# Altium PCB Copy of 2 Layers.PcbDoc (part 2 of 2)
Units mm, origin at the board's own origin, x right, y up, seen from the top; angles counter-clockwise.
Board outline 80.11 x 59.8 mm, 4 copper layers (Top Layer 1, Signal 1, Signal 2, Bottom Layer 1), stack 1.782 mm thick; 83 components, 58 nets, 373 pads, 5 vias.
Unrouted connection lines stored in the file: 233.
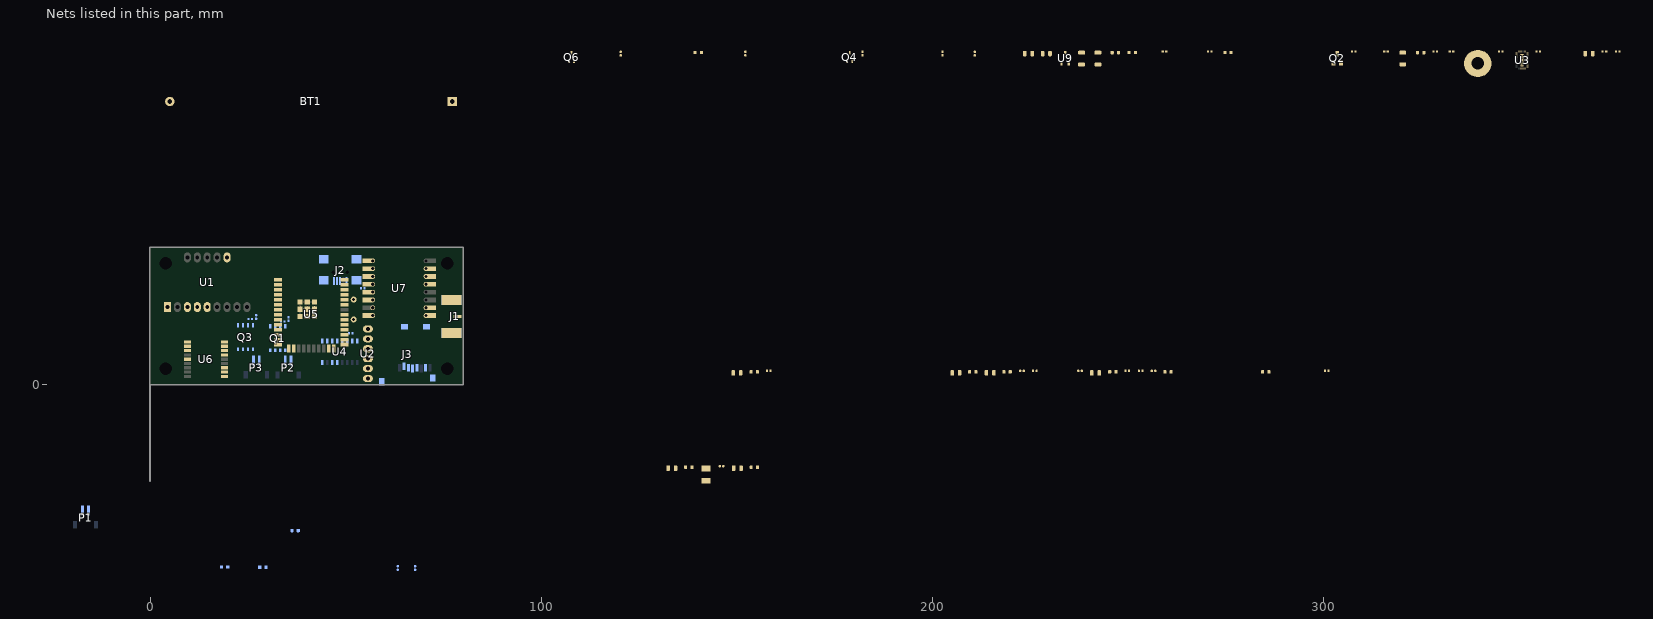
[diagram p2: the nets of this part, all layers, seen from the top]

## Part data (continued)
R16 R22: library part RES1011, Manufacturer 1=Panasonic, Manufacturer Part Number 1=ERJ-2RKF1003X, Operating Temperature="-55C to +125C", Package=0402, Power=1/10W, Supplier Part Number 1=P100KLCT-ND, Temperature Coefficient=100ppm/C, Tolerance=1%, Voltage=50V, Category=Resistor, ComponentLink1Description="SVN Datasheet", ComponentLink1URL=https://chn-vm-apps.microchip.com/mchprepo/parts/Datasheets/AOA0000CE2.pdf, ComponentLink2Description="Local Datasheet", ComponentLink2URL=C:\ALTIUM_WORK\00001_MCHP-CDB\Datasheets\AOA0000CE2.pdf, ComponentLink3Description="Open Symbol", ComponentLink3URL=C:\ALTIUM_WORK\00001_MCHP-CDB\Library\LibraryRefs\Resistor.SchLib, ComponentLink4Description="Open Footprint", ComponentLink4URL=C:\ALTIUM_WORK\00001_MCHP-CDB\Library\Footprints\RES_C_0402.PcbLib, ComponentLink5Description="Open Footprint 2", ComponentLink6Description="Open Footprint 3", ComponentLink7Description="Open Footprint 4", Composition=TKF, Description_="RES TKF 100k 1% 1/10W SMD 0402", Dev Tools Status=Production, MCHP-ID=RES1011, Owner="Tad Ahlvers", Populated=YES, Quantity Override=1, Revision=1, Status="MCL Design", Supplier 1=Digi-Key, Symbol=Resistor, Type="RES SMD"
R18 R26: library part RES2100, Manufacturer 1=Vishay, Manufacturer 2="Stackpole Electronics Inc.", Manufacturer Part Number 1=CRCW040262K0FKED, Manufacturer Part Number 2=RMCF0402FT62K0, Operating Temperature="-55C to +155C", Package=0402, Power=1/16W, Supplier Part Number 1=2140916, Temperature Coefficient=100ppm/C, Tolerance=1%, Category=Resistor, ComponentLink1Description="SVN Datasheet", ComponentLink1URL=https://chn-vm-apps.microchip.com/mchprepo/parts/Datasheets/SEI-RMCF_RMCP.pdf, ComponentLink2Description="Local Datasheet", ComponentLink2URL=C:\ALTIUM_WORK\00001_MCHP-CDB\Datasheets\SEI-RMCF_RMCP.pdf, ComponentLink3Description="Open Symbol", ComponentLink3URL=C:\ALTIUM_WORK\00001_MCHP-CDB\Library\LibraryRefs\Resistor.SchLib, ComponentLink4Description="Open Footprint", ComponentLink4URL=C:\ALTIUM_WORK\00001_MCHP-CDB\Library\Footprints\RES_C_0402.PcbLib, ComponentLink5Description="Open Footprint 2", ComponentLink6Description="Open Footprint 3", ComponentLink7Description="Open Footprint 4", Composition=TKF, Description_="RES TF 62k 1% 1/16W SMD 0402 AEC-Q200", Dev Tools Status=Production, MCHP-ID=RES2100, Owner="Cristian Papuc", Populated=YES, Quantity Override=1, Revision=1, Status="MCL Design", Supplier 1=Farnell, Supplier 2=Digi-Key, Supplier Part Number 2=RMCF0402FT62K0CT-ND, Symbol=Resistor, Type="RES SMD"
R19 R27: library part RES2130, Manufacturer 1="Panasonic - ECG", Manufacturer Part Number 1=ERJ-2RKF3301X, Operating Temperature="-55C to +155C", Package=0402, Power=1/10W, Supplier Part Number 1=P3.30KLTR-ND, Temperature Coefficient=100ppm/C, Tolerance=1%, Voltage=50V, Category=Resistor, ComponentLink1Description="SVN Datasheet", ComponentLink1URL=https://chn-vm-apps.microchip.com/mchprepo/parts/Datasheets/AOA0000C304.pdf, ComponentLink2Description="Local Datasheet", ComponentLink2URL=C:\ALTIUM_WORK\00001_MCHP-CDB\Datasheets\AOA0000C304.pdf, ComponentLink3Description="Open Symbol", ComponentLink3URL=C:\ALTIUM_WORK\00001_MCHP-CDB\Library\LibraryRefs\Resistor.SchLib, ComponentLink4Description="Open Footprint", ComponentLink4URL=C:\ALTIUM_WORK\00001_MCHP-CDB\Library\Footprints\RES_C_0402.PcbLib, ComponentLink5Description="Open Footprint 2", ComponentLink6Description="Open Footprint 3", ComponentLink7Description="Open Footprint 4", Composition=TKF, Description_="RES TKF 3.3k 1% 1/10W SMD 0402", Dev Tools Status=Production, MCHP-ID=RES2130, Owner="Mike Ragsdale", Populated=YES, Quantity Override=1, Revision=1, Status="MCL Design", Supplier 1=Digi-Key, Symbol=Resistor, Type="RES SMD"
U3: library part MIC6968, Manufacturer 1="Microchip Technology", Manufacturer Part Number 1=MIC33M350YMP, Operating Temperature="-40C to +125C", Category=MCHP-Analog, ComponentLink1Description="SVN Datasheet", ComponentLink1URL="https://chn-vm-apps.microchip.com/mchprepo/parts/Datasheets/MIC33M350_6_ DOS_Rev02.pdf", ComponentLink2Description="Local Datasheet", ComponentLink2URL="C:\ALTIUM_WORK\00001_MCHP-CDB\Datasheets\MIC33M350_6_ DOS_Rev02.pdf", ComponentLink3Description="Open Symbol", ComponentLink3URL="C:\ALTIUM_WORK\00001_MCHP-CDB\Library\LibraryRefs\MIC33M350 QFN-24.SchLib", ComponentLink4Description="Open Footprint", ComponentLink4URL=C:\ALTIUM_WORK\00001_MCHP-CDB\Library\Footprints\QFN-24_3X4.5_MIC33M350.PcbLib, ComponentLink5Description="Open Footprint 2", ComponentLink6Description="Open Footprint 3", ComponentLink7Description="Open Footprint 4", Description_="MCHP ANALOG SWITCHER Buck 0.6V to 3.3V MIC33M350YMP QFN-24", Dev Tools Status=Production, MCHP-ID=MIC6968, Owner="Razvan Cristescu", Populated=YES, Quantity Override=1, Revision=1, Status="MCL Design", Supplier 1="Microchip Technology", Supplier Part Number 1=MIC33M350YMP, Symbol="MIC33M350 QFN-24", Type=Switcher
U4: "USB Interface Integrated Circuit", Package=None, Availability="Not in stock", Check_prices=https://www.snapeda.com/parts/Ch340G/WCH/view-part/?ref=eda, MF=WCH, MP=Ch340G, Price=None, SnapEDA_Link=https://www.snapeda.com/parts/Ch340G/WCH/view-part/?ref=snap
U5: "Bluetooth, WiFi Transceiver Module 2.4GHz ~ 2.5GHz Surface Mount", Package="Module Espressif Systems", Digi-Key_Part_Number=1904-1010-1-ND, Digi-Key_Purchase_URL=https://www.digikey.com/product-detail/en/espressif-systems/ESP32-WROOM-32/1904-1010-1-ND/8544305?utm_source=snapeda&utm_medium=aggregator&utm_campaign=symbol, MF="Espressif Systems", MP=ESP32-WROOM-32, SnapEDA_Link=https://www.snapeda.com/parts/ESP32-WROOM-32/Espressif%20Systems/view-part/2753322/?ref=snap
U6: "u-blox M8 GNSS module, ROM, crystal", Package="SMD-18 u-blox", Availability=Unavailable, MF="U-Blox America", MP=MAX-M8C-0-10, Price=None, SnapEDA_Link=https://www.snapeda.com/parts/MAX-M8C-0-10/U-Blox%20America%20Inc./view-part/4176794/?ref=snap
U7: "802.15.4, General ISM < 1GHz LoRaâ„¢ Transceiver Module 433MHz Surface Mount", Package="SMD-16 RF Solutions", Availability=Unavailable, MF="RF Solutions", MP=RFM98W-433S2, Price=None, SnapEDA_Link=https://www.snapeda.com/parts/RFM98W-433S2/RF%20Solutions/view-part/583263/?ref=snap
U9: library part MIC6213, "LDO", Manufacturer 1=Microchip, Manufacturer Part Number 1=MCP1703AT-3302E/CB, PackageType=SOT-23A, Supplier Part Number 1=MCP1703AT-3302E/CBCT-ND, TempRange="-40C to +125C", Category=MCHP-Analog, ComponentLink1Description="SVN Datasheet", ComponentLink1URL=http://www.microchip.com/wwwproducts/MCP1703A, ComponentLink2Description="Local Datasheet", ComponentLink3Description="Open Symbol", ComponentLink3URL="C:\ALTIUM_WORK\00001_MCHP-CDB\Library\LibraryRefs\MCP170X SOT-23-3_SOT-23A-3.SchLib", ComponentLink4Description="Open Footprint", ComponentLink4URL=C:\ALTIUM_WORK\00001_MCHP-CDB\Library\Footprints\SOT-23A-3.PcbLib, ComponentLink5Description="Open Footprint 2", ComponentLink6Description="Open Footprint 3", ComponentLink7Description="Open Footprint 4", Description_="MCHP ANALOG LDO 3.3V MCP1703AT-5002E/CB SOT-23A-3", Dev Tools Status=Production, ForceMinOrderQtyMult=True, IntroductionDate=2012-03-15, LeadContent=Pb-FREE, LeadCount=3, MAPS Description="LOWIQ 250MA LDO, VIN 16V MAX, VOUT=3.3V", MCHP-ID=MIC6213, MinOrderQty=1, MPC=HBAF1YM7XA33, Owner="Tad Ahlvers", PackingMedia=T/R, Populated=YES, Quantity Override=1, Revision=1, Stage=REL, Status="MCL Design", Supplier 1=Digi-Key, Symbol="MCP170X SOT-23-3_SOT-23A-3", tblDeviceFamilyID=3495, Type=LDO

## Free pads (board coordinates)
  round 0 hole 3.2 unplated mask+0.2: 0(4,4) 0(4,31) 0(76,4) 0(76,31)

## Via types
v1: diameter 0.55, hole 0.3, Top Layer 1 to Bottom Layer 1, 5 vias

## Nets (pads, with @x,y where several pads share a name; then routed paths per layer and width w, separated by ;. In a path a pad name is that pad's centre, name@x,y a point inside that pad or via, vN(x,y) a via of type N, cw(c..) or ccw(c..) an arc to the next point about the centre after c; other vN are vias at no path point)
3.3V: C2.2 C6.2 C7.2 C8.2 C9.1 C10.2 C14.2 C15.2 C16.2@134.399,-21.397 C16.2@151.036,2.987 C16.2@151.163,-21.397 C16.2@207.043,2.987 C16.2@215.806,2.987 C16.2@230.157,84.648 C16.2@242.73,2.987 C17.2 C19.2 J3.4 R1.1 R2.1 R3.2 R4.2 R6.2 R7.1 R11.2 R24.2 R25.2 U1.1 U2.1 U3.12 U3.13 U3.14 U3.15 U3.16 U3.23 U4.4 U4.16 U5.2 U7.13 U7.13_1 U9.2
ADC_VBAT: C13.2 R12.2 U5.7
D+: J2.3 U4.5
D-: J2.2 U4.6
DIO0: U5.24 U7.14 U7.14_1
DIO1: U5.8 U7.15 U7.15_1
DIO5: U5.23 U7.7_1
DTR: Q6.2 R23.1 U4.13
EN: C1.2 Q4.3 R1.2 U5.3
FIRE1: R14.2 R15.2 U5.10
FIRE2: R20.2 R21.2 U5.26
GND: BT1.2 C1.1 C2.1 C3.1 C4.1 C5.1 C6.1 C7.1 C8.1 C9.2 C10.1 C11.1 C12.1 C13.1 C14.1 C15.1 C16.1 C17.1 C18.1 C19.1 C20.1 D1.2 D2.2 D3.2 J1.2 J2.0 J2.5 J3.10 J3.11 J3.12 P1.2 Q1.1 Q1.2 Q1.3 Q2.2 Q3.1 Q3.2 Q3.3 R13.1 R17.1 R18.1 R19.1 R26.1 R27.1 U1.3 U1.10 U2.2 U2.6 U3.1 U3.2 U3.3 U3.10 U3.11 U3.24 U3.25 U4.1 U5.1 U5.15 U5.38 U5.39_1 U5.39_2 U5.39_3 U5.39_4 U5.39_5 U5.39_6 U5.39_7 U5.39_8 U5.39_9 U5.39_10 U5.39_11 U5.39_12 U5.39_13 U5.39_14 U5.39_15 U5.39_16 U5.39_17 U5.39_18 U5.39_19 U5.39_20 U5.39_21 U6.1 U6.10 U6.12 U7.1 U7.1_1 U7.8 U7.8_1 U7.10 U7.10_1 U9.1
  other v1: 350.873,81.747 350.873,82.547 350.873,83.347 350.473,84.147 351.273,84.147
GPS_RX: U5.28 U6.3
GPS_TX: U5.27 U6.2
IO0: Q6.3 U5.25
NetBT1_1: BT1.1 SW1.2
NetC11_2: C11.2 U3.18
NetC18_2: C18.2 Q5.2 U4.7
NetC20_2: C20.2 Q5.1 U4.8
NetD1_1: D1.1 R11.1
NetD2_1: D2.1 Q1.4 R14.1 R15.1 R19.2
NetD3_1: D3.1 R20.1
NetD4_1: D4.1 R24.1
NetD5_1: D5.1 R25.1
NetJ1_1: J1.1 U7.9 U7.9_1
NetL1_1: L1.1 R5.2
NetL1_2: L1.2 U6.11
NetP1_1: P1.1 U5.9
NetP2_2: P2.2 Q1.5 Q1.6 Q1.7 Q1.8 R16.2
NetP3_2: P3.2 Q3.5 Q3.6 Q3.7 Q3.8 R22.2
NetQ2_1: Q2.1 R8.1 R17.2
NetQ2_3: Q2.3 R9.1 U3.21
NetQ3_4: Q3.4 R21.1 R27.2
NetQ4_1: Q4.1 R23.2
NetQ6_1: Q6.1 R28.2
NetR6_1: R6.1 U2.5
NetR10_1: R10.1 R12.1 R13.2
RFM_CLK: U5.30 U7.4 U7.4_1
RFM_MISO: U5.31 U7.2 U7.2_1
RFM_MOSI: U5.37 U7.3 U7.3_1
RFM_NSS: U5.11 U7.5 U7.5_1
RFM_RESET: U5.12 U7.6 U7.6_1
RST: Q4.2 R28.1 U4.14
RX: D4.2 U4.3 U5.35
SCL: R4.1 U1.4 U2.3 U5.36
SD_CS: J3.2 U5.29
SD_IN: J3.9 R7.2 U5.6
SD_MISO: J3.7 U5.14
SD_MOSI: J3.3 U5.16
SD_SCK: J3.5 U5.13
SDA: R3.1 U1.5 U2.4 U5.33
SENSE1: R16.1 R18.2 U5.4
SENSE2: R22.1 R26.2 U5.5
TX: D5.2 U4.2 U5.34
VBat: C12.2 P2.1 P3.1 R9.2 R10.2 SW1.1 U3.17 U3.19 U3.20
VCC_GPS: C4.2 C5.2 R2.2 U6.6 U6.7 U6.8 U6.9
VCC_RF: C3.2 R5.1 U6.14
VUSB: C16.2@225.585,84.648 J2.1 R8.2 U9.3
pads on no net: BT1.BEF J2.4 J2.MH J3.1 J3.6 J3.8 P1.MP1 P1.MP2 P2.MP1 P2.MP2 P3.MP1 P3.MP2 U1.2 U1.6 U1.7 U1.8 U1.9 U1.11 U1.12 U1.13 U1.14 U3.4 U3.5 U3.6 U3.7 U3.8 U3.9 U3.22 U4.9 U4.10 U4.11 U4.12 U4.15 U5.17 U5.18 U5.19 U5.20 U5.21 U5.22 U5.32 U6.4 U6.5 U6.13 U6.15 U6.16 U6.17 U6.18 U7.7 U7.11 U7.11_1 U7.12 U7.12_1 U7.16 U7.16_1

## Keep-outs
Keep-Out Layer:
  text "'.Layer_Name'" at 300.5,-183.388 h1.5

## Other copper
Top Layer 1:
  text "'.ProjectRevisionART'" at 335.678,-183.21 h1.5
  text "'.Layer_Name'" at 300.5,-183.388 h1.5
Bottom Layer 1:
  text "04-'.ProjectPCBNumber'-R'.ProjectRevisionART'" at 242,-133.138 h1.2
  text ".ProjectRevisionART" at 335.678,-183.21 h1.5
  text ".ProjectRevisionART" at 335.678,-183.21 h1.5
  text "'.ProjectRevisionART'" at 335.678,-183.21 h1.5
  text "'.Layer_Name'" at 300.5,-183.388 h1.5

## Silkscreen, mask and mechanical layers (free items; w line width, h text height)
Top Overlay:
  region: 289.8,-146.738 289.8,-144.738 291.8,-145.738
  text "C" at 259.5,-136.935 h8
  text "'.ProjectPartNumber'" at 231.5,-137.638 h1.2
  text "" at 252.5,-138.238 h8
  text "5" at 278.5,-138.832 h8
  text "7" at 288.5,-138.832 h8
  text "0" at 298.5,-138.832 h8
  text "1" at 308.5,-138.832 h8
  text "6" at 268.5,-138.865 h8
  text "2" at 318.5,-138.865 h8
  text "3" at 328.5,-138.865 h8
  text "4" at 338.58,-138.865 h8
  text "ICD" at 284.4,-146.638 h1.52
  text "M" at 262,-153.138 h10
  text "" at 315,-153.597 h10
  text "" at 294,-153.622 h10
  text "" at 305,-153.622 h10
  text "" at 324,-153.622 h10
  text "" at 335,-153.622 h10
  text "" at 346,-153.797 h10
  text "*h" at 227.7,-154.638 h7
  text "" at 286,-156.638 h10
  text "dsPICDEM.net™" at 185.75,-163.388 h3
  text "mTouch®" at 208,-163.388 h3
  text "chipKIT™" at 222.25,-163.388 h3
  text "dsPICDEM™" at 185.5,-169.138 h3
  text "MPLAB®" at 208,-169.638 h3
  text "dsPIC®" at 222.25,-169.638 h3
  text "PICDEM.net™" at 185.5,-175.388 h3
  text "PICkit™" at 208.25,-175.638 h3
  text "PIC®" at 222.25,-175.638 h3
  text "PICDEM™" at 185.5,-181.888 h3
  text "PICtail™" at 208.25,-181.888 h3
  text "'.ProjectRevisionART'" at 335.678,-183.21 h1.5
  text "'.Layer_Name'" at 300.5,-183.388 h1.5
Bottom Overlay:
  text "'.ProjectRevisionART'" at 335.678,-183.21 h1.5
  text "'.Layer_Name'" at 300.5,-183.388 h1.5
Top Paste:
  text "'.ProjectRevisionART'" at 335.678,-183.21 h1.5
  text "'.Layer_Name'" at 300.5,-183.388 h1.5
Bottom Paste:
  text "'.ProjectRevisionART'" at 335.678,-183.21 h1.5
  text "'.Layer_Name'" at 300.5,-183.388 h1.5
Top Solder:
  text "'.ProjectRevisionART'" at 335.678,-183.21 h1.5
  text "'.Layer_Name'" at 300.5,-183.388 h1.5
Bottom Solder:
  text "'.ProjectRevisionART'" at 335.678,-183.21 h1.5
  text "'.Layer_Name'" at 300.5,-183.388 h1.5
NOTES (M1):
  text "ASSEMBLY NOTES:" at 29.4,-133.738 h4
  text "1. ALL COMPONENTS SHALL BE RoHS COMPLIANT." at -4.7,-138.838 h3
  text "2. ALL UNUSED THROUGH HOLE COMPONENT LOCATIONS SHALL BE FREE OF SOLDER." at -4.7,-141.838 h3
  text "3. ALL COMPONENTS SHALL BE MOUNTED FLUSH TO THE BOARD, EXCEPT AS NOTED." at -4.7,-144.838 h3
  text "4. FINISHED BOARD SHALL BE FREE OF ALL RESIDUES." at -4.7,-147.838 h3
  text "5. ALL LEADS SHALL BE TRIMMED TO A MAXIMUM HEIGHT OF 2mm" at -4.7,-150.838 h3
  text "'.Layer_Name'" at 318.5,-183.388 h1.5
BOARD (M2):
  lines w0.1: 0,-24.638 0,35.062 80.01,35.062 80.01,0 0,0
  text "'.ProjectRevisionART'" at 335.678,-183.21 h1.5
  text "'.Layer_Name'" at 300.5,-183.388 h1.5
REF POINTS (M3):
  text "'.Layer_Name'" at 300.5,-183.388 h1.5
FAB (M4):
  drawing of 392 lines, arcs and shapes, not listed
  text "THIS PCB TO BE MANUFACTURED TO MEET ALL ACCEPTANCE LEVELS" at 236.989,27.024 h1.78
  text "OF A CLASS 2 PCB PER ANSI/IPC-A-600G." at 236.989,23.214 h1.78
  text "MATERIAL:" at 236.989,18.594 h1.78
  text "FR-4 or Equivalent" at 257.309,18.594 h1.78
  text "CONTROLLED IMPEDANCE" at 313.5,14.362 h1.78
  text "MULTILAYER" at 263.024,14.244 h1.78
  text "2" at 286.519,14.244 h1.78
  text "LAYERS" at 290.964,14.244 h1.78
  text "Cu WEIGHT EXTERNAL LAYERS" at 257.309,9.394 h1.78
  text "35um" at 309.379,9.394 h1.78
  text "FINISHED" at 318.904,9.394 h1.78
  text "Cu WEIGHT INTERNAL LAYERS" at 257.309,4.544 h1.78
  text "N/A" at 309.379,4.544 h1.78
  text "FINISHED" at 318.904,4.544 h1.78
  text "FINISHED OVERALL THICKNESS" at 257.309,-0.306 h1.78
  text "1.6" at 310.649,-0.306 h1.78
  text "mm" at 318.904,-0.306 h1.78
  text "10" at 333.509,-0.306 h1.78
  text "%" at 341.764,-0.306 h1.78
  text "COPPER THIEVING ALLOWED" at 257.5,-5.138 h1.78
  text "YES" at 314.5,-5.138 h1.78
  text "NO" at 331.5,-5.138 h1.78
  text "X" at 326.091,-5.638 h2.6
  text "FINISH:" at 237,-9.638 h1.78
  text "LEAD-FREE HOT AIR LEVELING" at 263,-9.938 h1.78
  text "X" at 258.4,-10.638 h2.6
  text "IMMERSION GOLD" at 263.024,-15.476 h1.78
  text "IMMERSION TIN" at 263.024,-20.976 h1.78
  text "SMOBC WITH SELECTIVE GOLD PLATING ON LANDS" at 263.024,-24.681 h1.78
  text "INDICATED. 1um GOLD OVER 5-10 um NICKEL" at 263.024,-28.491 h1.78
  text "SOLDERMASK" at 257.309,-33.826 h1.78
  text "DYNACHEM EPIC 200 LPI OR EQUIVALENT" at 278.899,-33.826 h1.78
  text "SOLDERMASK COLOR" at 257.309,-40.176 h1.78
  text "GREEN HIGH GLOSS" at 289.059,-40.176 h1.78
  text "SILKSCREEN COLOR" at 257.309,-46.526 h1.78
  text "WHITE" at 289.059,-46.526 h1.78
  text "Blind / Burried Vias" at 263.5,-52.638 h1.78
  text "DRILLING:" at 237.5,-52.888 h1.78
  text "Via Layer Pairs" at 258,-57.388 h1.78
  text "Top-Bottom" at 278.75,-57.388 h1.78
  text "ALL HOLES TO BE LOCATED BY THE COORDINATES FROM THE NC DRILL DATA PROVIDED." at 236.989,-62.638 h1.78
  text "05-'.ProjectPCBNumber'" at 269,-69.138 h1.78
  text "PCB REV" at 305,-69.138 h1.78
  text "USE ARTWORK SET NO." at 236.989,-69.226 h1.78
  text "'.ProjectRevisionART'" at 318.15,-69.388 h1.78
  text "ALL UL LOGO, MANUFACTURER'S ID, AND DATE CODES SHALL BE PLACED" at 236.989,-75.576 h1.78
  text "Layer" at 224.029,-78.613 h1.52
  text "Name" at 234.441,-78.613 h1.52
  text "Material" at 258.056,-78.613 h1.52
  text "Thickness" at 279.894,-78.613 h1.52
  text "Constant" at 296.4,-78.613 h1.52
  text "Gerber" at 310.875,-78.613 h1.52
  text "Board Layer Stack" at 322.81,-78.613 h1.52
  text "ON THE BOTTOM SIDE UNLESS OTHERWISE INDICATED." at 236.989,-79.386 h1.78
  text "Top Overlay" at 234.441,-81.661 h1.52
  text "GTO" at 310.875,-81.661 h1.52
  text "ANY ALTERNATIVES TO THE ABOVE SPECIFICATIONS MUST FIRST BE APPROVED." at 236.5,-84.638 h1.78
  text "Top Solder" at 234.441,-84.709 h1.52
  text "Solder Resist" at 258.056,-84.709 h1.52
  text "0,010mm" at 279.894,-84.709 h1.52
  text "3.5" at 296.4,-84.709 h1.52
  text "GTS" at 310.875,-84.709 h1.52
  text "1" at 224.029,-87.757 h1.52
  text "Top Layer 1" at 234.441,-87.757 h1.52
  text "CF-004" at 258.056,-87.757 h1.52
  text "0,035mm" at 279.894,-87.757 h1.52
  text "GTL" at 310.875,-87.757 h1.52
  text "Dielectric 1" at 234.441,-90.805 h1.52
  text "PP-006" at 258.056,-90.805 h1.52
  text "0,071mm" at 279.894,-90.805 h1.52
  text "4.1" at 296.4,-90.805 h1.52
  text "2" at 224.029,-93.853 h1.52
  text "Signal 1" at 234.441,-93.853 h1.52
  text "CF-004" at 258.056,-93.853 h1.52
  text "0,035mm" at 279.894,-93.853 h1.52
  text "G1" at 310.875,-93.853 h1.52
  text "Dielectric1" at 234.441,-96.901 h1.52
  text "FR-4" at 258.056,-96.901 h1.52
  text "1,500mm" at 279.894,-96.901 h1.52
  text "4.8" at 296.4,-96.901 h1.52
  text "3" at 224.029,-99.949 h1.52
  text "Signal 2" at 234.441,-99.949 h1.52
  text "CF-004" at 258.056,-99.949 h1.52
  text "0,035mm" at 279.894,-99.949 h1.52
  text "G2" at 310.875,-99.949 h1.52
  text "Dielectric 2" at 234.441,-102.997 h1.52
  text "PP-006" at 258.056,-102.997 h1.52
  text "0,071mm" at 279.894,-102.997 h1.52
  text "4.1" at 296.4,-102.997 h1.52
  text "4" at 224.029,-106.045 h1.52
  text "Bottom Layer 1" at 234.441,-106.045 h1.52
  text "CF-004" at 258.056,-106.045 h1.52
  text "0,035mm" at 279.894,-106.045 h1.52
  text "GBL" at 310.875,-106.045 h1.52
  text "Bottom Solder" at 234.441,-109.093 h1.52
  text "Solder Resist" at 258.056,-109.093 h1.52
  text "0,010mm" at 279.894,-109.093 h1.52
  text "3.5" at 296.4,-109.093 h1.52
  text "GBS" at 310.875,-109.093 h1.52
  text "Bottom Overlay" at 234.441,-112.141 h1.52
  text "GBO" at 310.875,-112.141 h1.52
  text "Total board thickness:" at 224.029,-115.189 h1.52
  text "1,802mm" at 279.894,-115.189 h1.52
  text "'.ProjectRevisionFAB'" at 335.678,-183.21 h1.5
  text "'.Layer_Name'" at 300.5,-183.388 h1.5
Case (M5):
  text "'.Layer_Name'" at 300.5,-183.388 h1.5
Cover (M6):
  text "'.Layer_Name'" at 300.5,-183.388 h1.5
Terminal Block (M7):
  text "'.Layer_Name'" at 300.5,-183.388 h1.5
Route Tool Path:
  text "'.Layer_Name'" at 300.5,-183.388 h1.5
V-Cut (M9):
  text "'.Layer_Name'" at 300.5,-183.388 h1.5
Bottom Assembly:
  text "'.VariantName'" at 50.07,-167.388 h0.9
  text "ASSEMBLY VARIANT:" at 64.32,-167.388 h0.9
  text "DOCUMENT NUMBER:" at 18.05,-175.638 h1.14
  text "02-'.ProjectPCBAssyNumber'-D" at 17.8,-178.638 h1.6
  text "'.ProjectRevisionASSY'" at 1.122,-183.21 h1.5
  text "'.Layer_Name'" at 36,-183.388 h1
Top Assembly:
  text "6. PLACE LABEL  ON THE LOCATION INDICATED." at -4.7,-153.838 h3
  text "7." at -4.7,-156.838 h3
  text "ASSEMBLY VARIANT:" at 272.5,-167.388 h0.9
  text "'.VariantName'" at 286.75,-167.388 h0.9
  text "DOCUMENT NUMBER:" at 318.75,-175.638 h1.15
  text "02-'.ProjectPCBAssyNumber'-D" at 319,-178.638 h1.6
  text "'.ProjectRevisionASSY'" at 335.678,-183.21 h1.5
  text "'.Layer_Name'" at 300.5,-183.388 h1
Bottom 3D Body:
  text "'.Layer_Name'" at 300.5,-183.388 h1.15
Top 3D Body:
  text "'.Layer_Name'" at 300.5,-183.388 h1.2
Bottom Courtyard:
  text ".ProjectRevisionART" at 335.678,-183.21 h1.5
  text "'.Layer_Name'" at 300.5,-183.388 h1
Top Courtyard:
  text "'.ProjectRevisionART'" at 335.678,-183.21 h1.5
  text "'.Layer_Name'" at 300.5,-183.388 h1.1
TITLE (M16):
  lines w0.1: 272,-166.138 353.82,-166.138 ; 324,-158.638 324,-161.638 353.82,-161.638 ; 342.54,-183.273 342.54,-182.003 ; 342.54,-182.638 352.7,-182.638 ; 342.7,-181.438 342.7,-180.438 ; 342.7,-180.938 352.7,-180.938 ; 345.08,-183.273 345.08,-182.003 ; 347.62,-183.273 347.62,-182.003 ; 347.7,-181.238 347.7,-180.638 ; 350.16,-183.273 350.16,-182.003 ; 352.7,-183.273 352.7,-182.003 ; 352.7,-181.438 352.7,-180.438 ; 353.82,-161.638 353.82,-161.638
  lines w0.127: -22.1,-128.813 -17.02,-128.813 ; -22.1,-68.488 -17.02,-68.488 ; -22.1,-8.163 -17.02,-8.163 ; 41.4,-189.138 41.4,-184.058 ; 41.4,47.082 41.4,52.162 ; 104.9,-189.138 104.9,-184.058 ; 104.9,47.082 104.9,52.162 ; 168.4,-189.138 168.4,-184.058 ; 168.4,47.082 168.4,52.162 ; 203.96,-184.058 239.52,-184.058 ; 231.9,-189.138 231.9,-184.058 ; 231.9,47.082 231.9,52.162 ; 272,-184.058 272,-158.638 ; 272,-179.638 353.82,-179.638 ; 272,-173.638 353.82,-173.638 ; 272,-167.638 353.82,-167.638 ; 295.4,-189.138 295.4,-184.058 ; 295.4,47.082 295.4,52.162 ; 300,-184.058 300,-167.638 ; 318,-179.638 318,-173.638 ; 331,-184.058 331,-179.638 ; 338.5,-184.058 338.5,-173.638 ; 353.82,-153.578 353.82,-184.058 ; 353.82,-128.813 358.9,-128.813 ; 353.82,-68.488 358.9,-68.488 ; 353.82,-8.163 358.9,-8.163 ; 353.82,-184.058 353.82,-158.638 238,-158.638 238,-184.058 353.82,-184.058 ; 353.82,-184.058 -17.02,-184.058 -17.02,47.082 353.82,47.082 353.82,-184.058 ; -22.1,-189.138 358.9,-189.138 358.9,52.162 -22.1,52.162 -22.1,-189.138
  lines w0.254: 243.32,38.082 243.32,42.582 243.32,47.082 ; 255.82,38.082 255.82,42.582 255.82,47.082 ; 334.32,38.082 334.32,42.582 334.32,47.082 ; 353.82,42.582 232.32,42.582 ; 232.32,42.582 232.32,47.082 353.82,47.082 353.82,38.082 232.32,38.082 232.32,42.582
  text "1" at 9.176,48.86 h1.78
  text "2" at 72.566,48.86 h1.78
  text "3" at 135.795,48.86 h1.78
  text "4" at 199.464,48.86 h1.78
  text "5" at 262.939,48.86 h1.78
  text "6" at 326.566,48.86 h1.78
  text "REV" at 234.82,44.082 h1.52
  text "ECO" at 244.82,44.082 h1.52
  text "Comments" at 291.32,43.582 h1.52
  text "Date" at 339.32,43.582 h1.52
  text "A" at -20.195,19.828 h1.78
  text "A" at 355.725,19.828 h1.78
  text "B" at -20.195,-40.624 h1.78
  text "B" at 355.725,-40.624 h1.78
  text "C" at -20.195,-100.949 h1.78
  text "C" at 355.725,-100.949 h1.78
  text "PART NUMBER:" at 325,-160.638 h1
  text "'.ProjectpartNumber'" at 337,-160.888 h1.5
  text "D" at -20.195,-161.147 h1.78
  text "TITLE:" at 273,-161.138 h1.14
  text "D" at 355.725,-161.147 h1.78
  text "'.ProjectTitle'" at 273,-165.138 h2.5
  text "PCB Layout Contact:" at 273,-169.638 h1.15
  text "GERBER FILE:" at 301,-169.638 h1.15
  text "'.ProjectDrawnBy'" at 273,-172.638 h1.6
  text "'.Plot_File_Name'" at 301,-172.638 h1.5
  text "M" at 241,-174.638 h15.24
  text "Project Owner:" at 273,-175.638 h1.15
  text "BOARD NUMBER:" at 301,-175.638 h1.15
  text "DATE:" at 339.7,-175.638 h1.14
  text "Microchip Technology Inc." at 239.77,-177.898 h1.78
  text "'.ProjectEngineer'" at 273,-178.638 h1.6
  text "04-'.ProjectPCBNumber'" at 301,-178.638 h1.6
  text "'.PRINT_DATE'" at 339.7,-178.638 h1.5
  text "2355 W. Chandler Blvd." at 241,-180.638 h1.78
  text "LAYER NAME:" at 301,-181.138 h1.14
  text "10mm" at 339,-181.238 h0.7
  text "PCB FILE NAME:" at 273,-181.388 h1.15
  text "REV:" at 331.75,-181.388 h1.14
  text "400mil" at 338.9,-182.938 h0.7
  text "Chandler, AZ  85224" at 242,-183.138 h1.78
  text "'.PCB_FILE_NAME_NO_PATH'" at 273,-183.388 h1
  text "1" at 9.176,-187.36 h1.78
  text "2" at 72.566,-187.36 h1.78
  text "3" at 135.795,-187.36 h1.78
  text "4" at 199.464,-187.36 h1.78
  text "5" at 262.939,-187.36 h1.78
  text "6" at 326.566,-187.36 h1.78
Drill Drawing:
  lines w0.3: 6.096,-112.942 6.096,-105.442 ; 23.541,-112.942 23.541,-105.442 ; 57.182,-112.942 57.182,-105.442 ; 69.828,-112.942 69.828,-105.442 ; 99.57,-112.942 99.57,-105.442 ; 114.316,-112.942 114.316,-105.442 ; 132.661,-112.942 132.661,-105.442 ; 154.305,-112.942 154.305,-105.442 ; -7.676,-112.942 189.37,-112.942 189.37,-105.442 -7.676,-105.442 -7.676,-112.942 ; -7.676,-109.192 189.37,-109.192 -7.676,-109.192
  text "Symbol" at -5.426,-108.067 h1.8
  text "Hit Count" at 7.221,-108.067 h1.8
  text "Finished Hole Size" at 24.666,-108.067 h1.8
  text "Plated" at 58.307,-108.067 h1.8
  text "Drill Layer Pair" at 70.953,-108.067 h1.8
  text "Via/Pad" at 100.695,-108.067 h1.8
  text "Hole Type" at 115.441,-108.067 h1.8
  text "Hole Length" at 133.786,-108.067 h1.8
  text "Routed Path Length" at 155.43,-108.067 h1.8
  text "DOCUMENT NUMBER:" at 318.75,-175.638 h1.15
  text "04-'.ProjectPCBNumber'-D" at 319,-178.638 h1.6
  text "'.ProjectRevisionFAB'" at 335.678,-183.21 h1.5
TITLE MIRROR (M17):
  lines w0.1: -15.9,-183.273 -15.9,-182.003 ; -15.9,-182.638 -5.74,-182.638 ; -15.9,-181.438 -15.9,-180.438 ; -15.9,-180.938 -5.9,-180.938 ; -13.36,-183.273 -13.36,-182.003 ; -10.9,-181.238 -10.9,-180.638 ; -10.82,-183.273 -10.82,-182.003 ; -8.28,-183.273 -8.28,-182.003 ; -5.9,-181.438 -5.9,-180.438 ; -5.74,-183.273 -5.74,-182.003
  lines w0.127: -22.1,-128.813 -17.02,-128.813 ; -22.1,-68.488 -17.02,-68.488 ; -22.1,-8.163 -17.02,-8.163 ; -17.02,-179.638 64.8,-179.638 ; -17.02,-173.638 64.8,-173.638 ; -17,-167.638 64.82,-167.638 ; -17,-166.138 64.82,-166.138 ; -17,-161.638 -16.383,-161.638 ; -1.7,-184.058 -1.7,-173.638 ; 5.8,-184.058 5.8,-179.638 ; 12.82,-158.638 12.82,-161.638 -16.383,-161.638 ; 18.8,-179.638 18.8,-173.638 ; 36.82,-184.058 36.82,-167.638 ; 41.4,-189.138 41.4,-184.058 ; 41.4,47.082 41.4,52.162 ; 64.82,-184.058 64.82,-158.638 ; 104.9,-189.138 104.9,-184.058 ; 104.9,47.082 104.9,52.162 ; 168.4,-189.138 168.4,-184.058 ; 168.4,47.082 168.4,52.162 ; 231.9,-189.138 231.9,-184.058 ; 231.9,47.082 231.9,52.162 ; 295.4,-189.138 295.4,-184.058 ; 295.4,47.082 295.4,52.162 ; 353.82,-128.813 358.9,-128.813 ; 353.82,-68.488 358.9,-68.488 ; 353.82,-8.163 358.9,-8.163 ; -17.02,-184.058 98.82,-184.058 98.82,-158.638 -17.02,-158.638 -17.02,-184.058 ; -17.02,-184.058 -17.02,47.082 353.82,47.082 353.82,-184.058 -17.02,-184.058 ; -16.383,-161.638 -16.383,-161.638 ; -22.1,-189.138 -22.1,52.162 358.9,52.162 358.9,-189.138 -22.1,-189.138
  text "6" at 10.234,48.86 h1.78
  text "5" at 73.861,48.86 h1.78
  text "4" at 137.336,48.86 h1.78
  text "3" at 201.005,48.86 h1.78
  text "2" at 264.234,48.86 h1.78
  text "1" at 327.624,48.86 h1.78
  text "A" at -18.925,19.828 h1.78
  text "A" at 356.995,19.828 h1.78
  text "B" at -18.925,-40.624 h1.78
  text "B" at 356.995,-40.624 h1.78
  text "C" at -18.925,-100.949 h1.78
  text "C" at 356.995,-100.949 h1.78
  text "PART NUMBER:" at 11.82,-160.638 h1
  text "TITLE:" at 63.82,-160.638 h1.14
  text "'.ProjectpartNumber'" at -0.18,-160.888 h1.5
  text "D" at -18.925,-161.147 h1.78
  text "D" at 356.995,-161.147 h1.78
  text "'.ProjectTitle'" at 63.82,-165.138 h2.5
  text "GERBER FILE:" at 35.82,-169.638 h1.14
  text "PCB DESIGNER:" at 63.82,-169.638 h1.14
  text "'.Plot_File_Name'" at 35.82,-172.638 h1.5
  text "'.ProjectDrawnBy'" at 63.82,-172.638 h1.78
  text "M" at 95.82,-174.638 h15.24
  text "DATE:" at -2.9,-175.638 h1.14
  text "BOARD NUMBER:" at 35.8,-175.638 h1.14
  text "ENGINEER:" at 63.8,-175.638 h1.14
  text "Microchip Technology Inc." at 97.05,-177.898 h1.78
  text "'.PRINT_DATE'" at -2.9,-178.638 h1.5
  text "04-'.ProjectPCBNumber'" at 35.8,-178.638 h1.6
  text "'.ProjectEngineer'" at 63.8,-178.638 h1.78
  text "2355 W. Chandler Blvd." at 95.82,-180.638 h1.78
  text "LAYER NAME:" at 35.8,-181.138 h1.14
  text "10mm" at -2.2,-181.238 h0.7
  text "REV:" at 5.05,-181.388 h1.14
  text "PCB FILE NAME:" at 63.8,-181.388 h1.14
  text "400mil" at -2.1,-182.938 h0.7
  text "Chandler, AZ  85224" at 94.82,-183.138 h1.78
  text "'.PCB_FILE_NAME_NO_PATH'" at 63.8,-183.388 h1.14
  text "6" at 10.234,-187.36 h1.78
  text "5" at 73.861,-187.36 h1.78
  text "4" at 137.336,-187.36 h1.78
  text "3" at 201.005,-187.36 h1.78
  text "2" at 264.234,-187.36 h1.78
  text "1" at 327.624,-187.36 h1.78

## Dimensions
80.01,0 to 80.01,35.062 on FAB (M4)
0,-24.638 to 80.01,35.062 on FAB (M4)

## Text inside footprints (layer, text, board x,y; h text height)
C12: Top Courtyard "C" at 320.693,83.178 h0.6 r90
C14: Top Courtyard "C" at 238.524,83.178 h0.6 r90
C15: Top Courtyard "C" at 242.715,83.178 h0.6 r90
J2: Bottom Assembly "1" at 46.835,27.449 h1 r180
Q1: Bottom Assembly "1" at 30.575,14.551 h1 r180
Q3: Bottom Assembly "1" at 22.32,14.805 h1 r180
U3: Top Assembly "1" at 349.498,84.822 h0.5 r270
U5: Top 3D Body "ANTENNA" at 35.202,30.487 h1.78